# KiCad board r1_panel.kicad_pcb (continued)
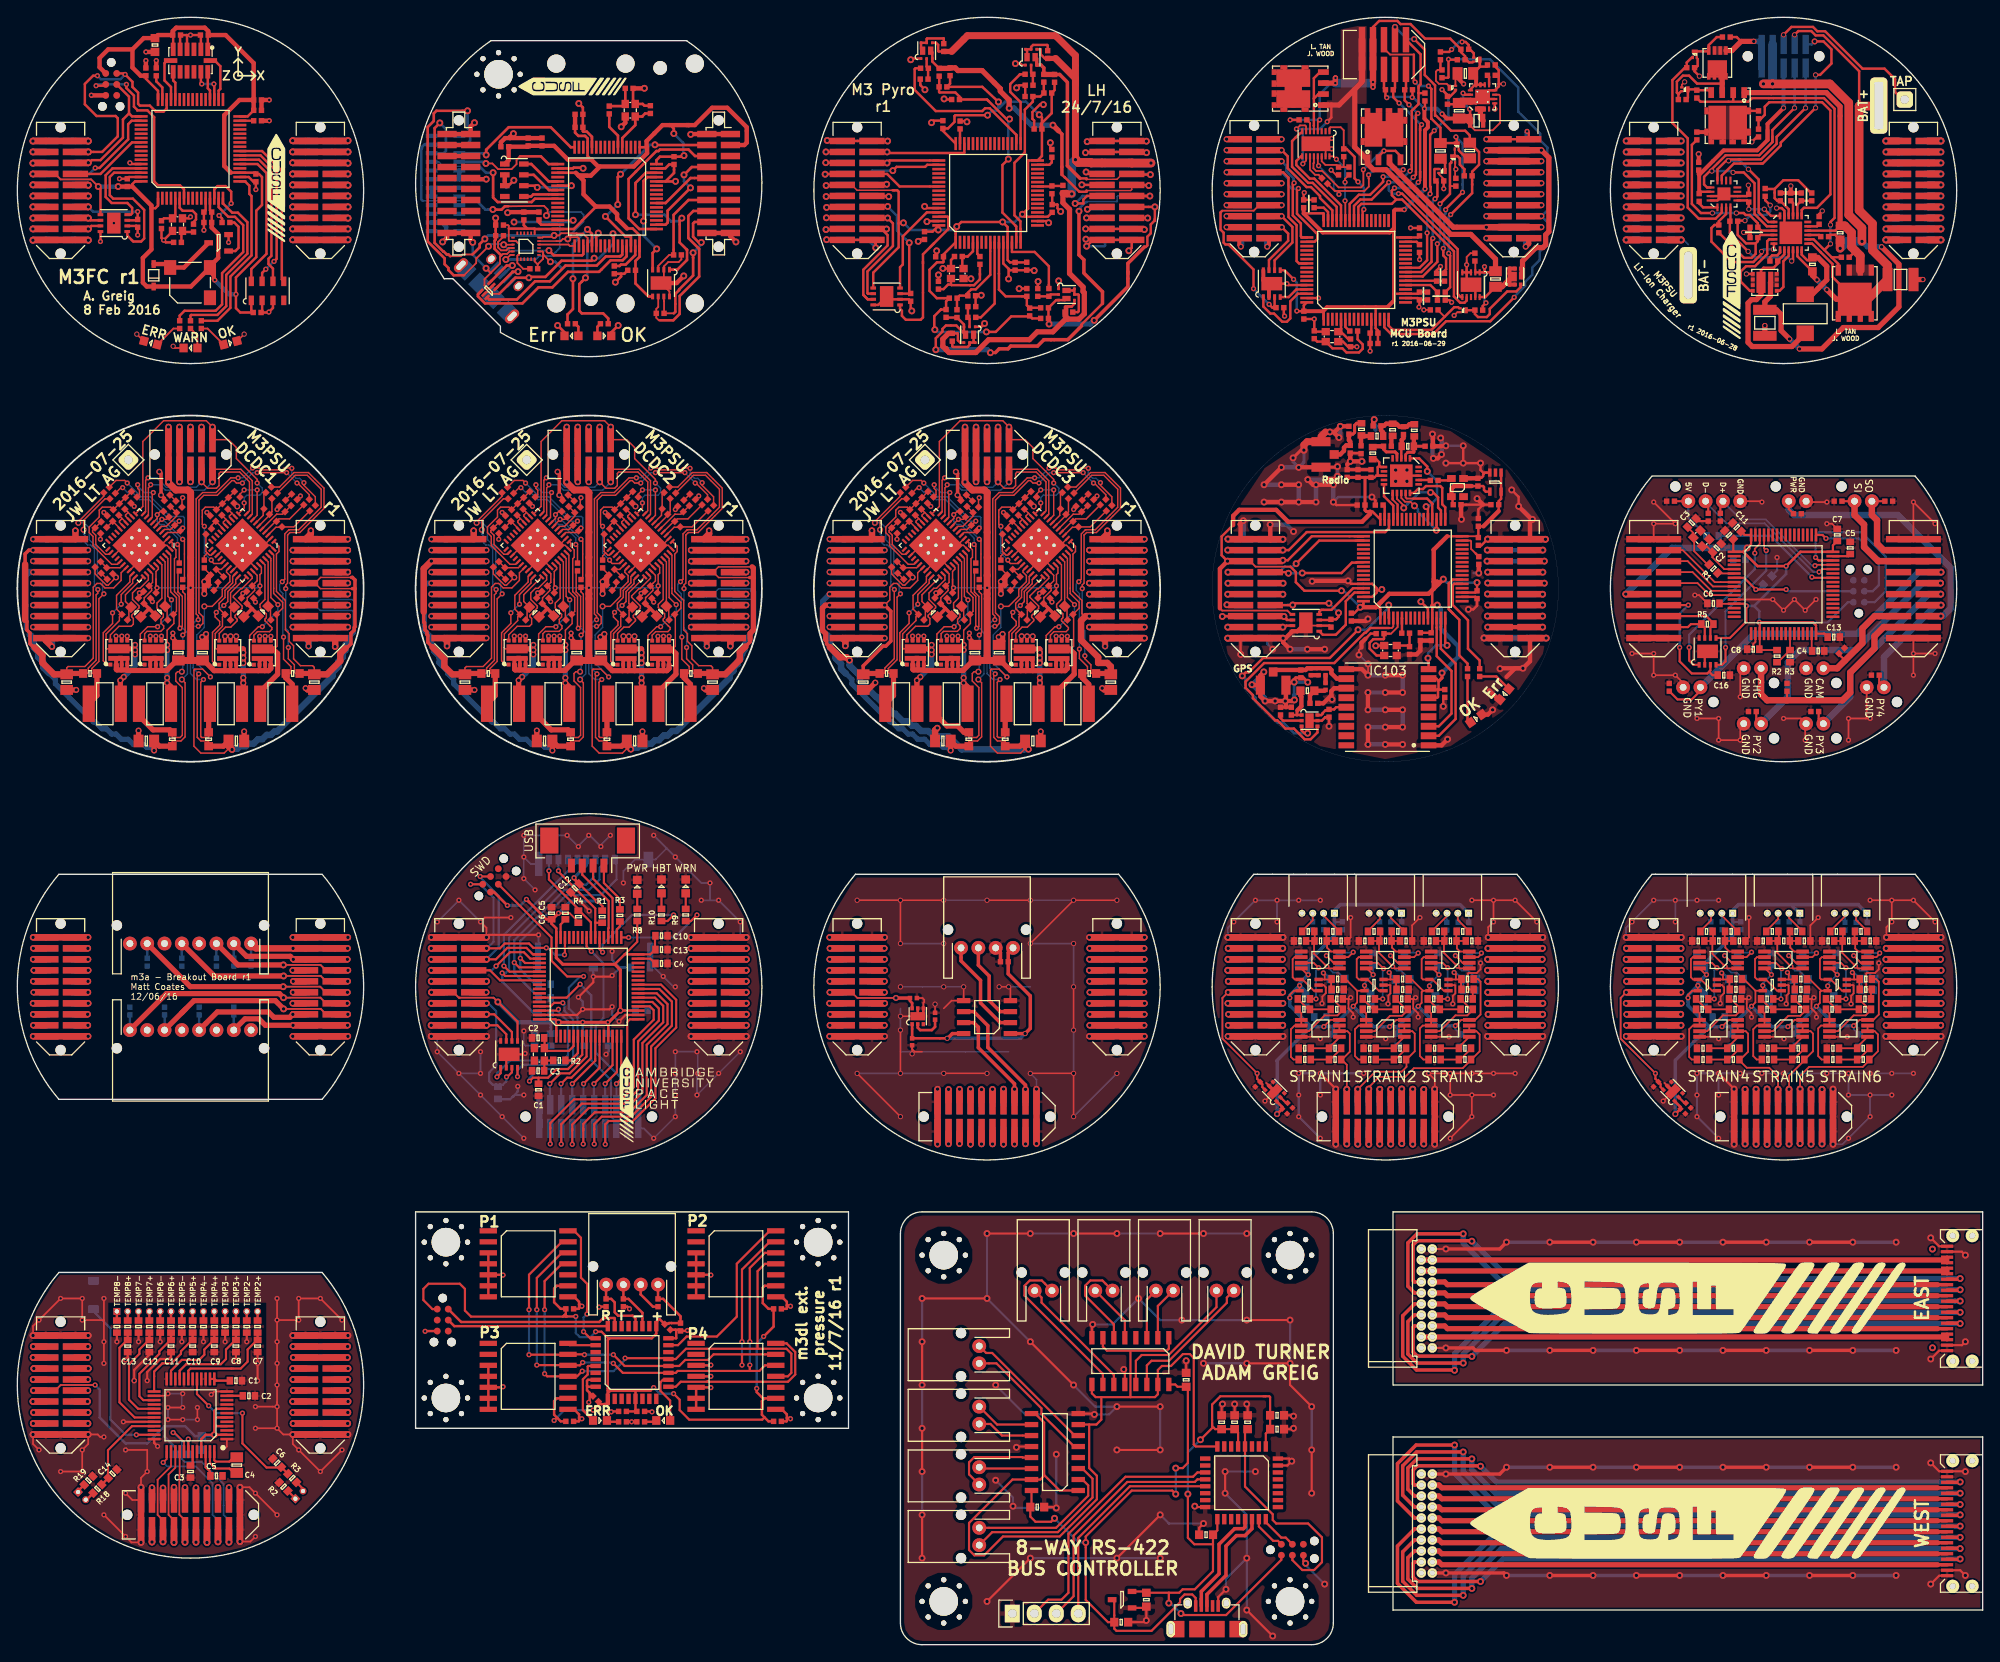
[diagram p0: board, top side]
## Nets (continued)
/GPS_TX: IC101.15 IC103.2
/JTCK: IC1.49 IC1#2.49 IC1#3.49 IC1#7.9 IC1#11.49 IC1#12.49 IC101.49 J1.6 J1#2.6 J1#3.6 J1#4.6 J1#5.6 J1#6.6 J1#7.6 J1#8.6 J1#9.6 J1#10.6 J1#11.6 J1#12.6 J1#13.6 J1#16.6 J2#7.6 J2#8.6 J2#11.6 J2#12.6 J2#13.6 J2#14.6 J2#15.6 J2#16.6 J3#7.6 J3#8.6 J3#9.6 J3#10.6 J3#11.6 J3#12.6 J9.6 J10.6 J101.6 J102.6 P1.4 P1#2.4
/JTDI: IC1.50 IC1#2.50 IC1#3.50 IC1#11.50 IC1#12.50 IC101.50 J1#3.8 J1#4.8 J1#5.8 J1#6.8 J1#8.8 J1#9.8 J1#10.8 J1#12.8 J1#13.8 J1#16.8 J2#7.8 J2#8.8 J2#11.8 J2#12.8 J2#13.8 J2#14.8 J2#15.8 J2#16.8 J3#7.8 J3#8.8 J3#9.8 J3#10.8 J3#11.8 J3#12.8 J10.8 J102.8
/JTDO: IC1.55 IC1#2.55 IC1#3.55 IC1#7.10 IC1#12.55 IC101.55 J1.8 J1#2.8 J1#7.8 J1#11.8 J9.8 J101.8
/JTDR: IC1#7.11 IC1#11.55 J1.10 J1#2.10 J1#3.10 J1#4.10 J1#5.10 J1#6.10 J1#7.10 J1#8.10 J1#9.10 J1#10.10 J1#11.10 J1#12.10 J1#13.10 J1#16.10 J2#7.10 J2#8.10 J2#11.10 J2#12.10 J2#13.10 J2#14.10 J2#15.10 J2#16.10 J3#7.10 J3#8.10 J3#9.10 J3#10.10 J3#11.10 J3#12.10 J9.10 J10.10 J101.10 J102.10
/JTMS: IC1.46 IC1#2.46 IC1#3.46 IC1#7.8 IC1#11.46 IC1#12.46 IC101.46 J1.4 J1#2.4 J1#3.4 J1#4.4 J1#5.4 J1#6.4 J1#7.4 J1#8.4 J1#9.4 J1#10.4 J1#11.4 J1#12.4 J1#13.4 J1#16.4 J2#7.4 J2#8.4 J2#11.4 J2#12.4 J2#13.4 J2#14.4 J2#15.4 J2#16.4 J3#7.4 J3#8.4 J3#9.4 J3#10.4 J3#11.4 J3#12.4 J9.4 J10.4 J101.4 J102.4 P1.2 P1#2.2
/LED1: IC1#3.33 R9#3.1
/LED2: IC1#3.38 R10#3.1
/LED_GRN: IC1.17 IC1#11.38 IC101.22 R4.1 R4#10.1 R103.1
/LED_RED: IC1.15 IC1#11.37 IC101.21 R2.1 R2#11.1 R102.1
/LED_YLW: IC1.16 R3.1
/MISO: IC1#11.35 IC1#15.13 IC2#13.13 IC3#6.13 IC4#4.9 IC4#6.13 IC5#4.12 U1#3.4
/MOSI: IC1#11.36 IC1#15.11 IC2#13.11 IC3#6.11 IC4#4.24 IC4#6.11 IC5#4.13 U1#3.5
/MPU_IRQ: IC1#11.30 IC4#4.12
/nRST: C5#16.1 IC1#17.4 P1#4.3
/OTG_FS_DM: D2#6.6 IC1#11.44
/OTG_FS_DP: D2#6.4 IC1#11.45
/OTG_HS_DM: D6.1 IC1#3.35 IC1#7.44 J6.2 J13.2
/OTG_HS_DP: D5.1 IC1#3.36 IC1#7.45 J6.3 J13.3
/OTG_HS_VBUS: IC1#3.34 IC1#7.42 R3#2.2 R4#13.2
/PRESSURE1: IC1#3.16 IC2#14.7 J5.16 J5#2.16 J5#3.16 J6#3.16 J6#4.16 J6#5.16 J6#6.16 J7#4.16 J7#7.16
/PRESSURE2: IC1#3.17 IC2#14.6 J5.18 J5#2.18 J5#3.18 J6#3.18 J6#4.18 J6#5.18 J6#6.18 J7#4.18 J7#7.18
/PRESSURE3: IC1#3.20 J5.3 J5#2.3 J5#3.3 J6#3.3 J6#4.3 J6#5.3 J6#6.3 J7#4.3 J7#7.3
/PRESSURE4: IC1#3.24 J5.11 J5#2.11 J5#3.11 J6#3.11 J6#4.11 J6#5.11 J6#6.11 J7#4.11 J7#7.11
/PRESSURE5: IC1#3.25 J5.13 J5#2.13 J5#3.13 J6#3.13 J6#4.13 J6#5.13 J6#6.13 J7#4.13 J7#7.13
/PWR: D7#4.1 D8.1 IC1#12.15 J1#14.16 J2.16 J2#2.16 J2#3.16 J2#4.16 J2#5.16 J2#6.16 J2#9.16 J2#10.16 J3.16 J4.16 J4#2.16 J4#3.16 J4#4.16 J4#5.16 J4#6.16 J4#8.16 J4#9.16 J4#10.16 J4#11.16 J4#12.16 J4#13.16 J5#6.16 J5#7.16 J5#8.16 J5#9.16 J5#10.16 J5#11.16 J6#2.3 J10#2.1 J11.16 J12.16 J103.16 J104.16 R1#11.2 R4#11.1
/PYRO1: D1#6.1 D3#12.1 J1#14.8 J2.8 J2#2.8 J2#3.8 J2#4.8 J2#5.8 J2#6.8 J2#9.8 J2#10.8 J3.8 J4.8 J4#2.8 J4#3.8 J4#4.8 J4#5.8 J4#6.8 J4#8.8 J4#9.8 J4#10.8 J4#11.8 J4#12.8 J4#13.8 J5#4.3 J5#5.1 J5#6.8 J5#7.8 J5#8.8 J5#9.8 J5#10.8 J5#11.8 J103.8 J104.8
/PYRO1_BOT: J11.8 J12.8 Q1#2.D2 R2#3.2 R9.1
/PYRO1_RESISTANCE: C2#3.1 D2#2.2 IC1#2.16 R9.2
/PYRO2: D2#7.1 D2#13.1 J1#14.10 J2.10 J2#2.10 J2#3.10 J2#4.10 J2#5.10 J2#6.10 J2#9.10 J2#10.10 J3.10 J4.10 J4#2.10 J4#3.10 J4#4.10 J4#5.10 J4#6.10 J4#8.10 J4#9.10 J4#10.10 J4#11.10 J4#12.10 J4#13.10 J5#4.5 J5#6.10 J5#7.10 J5#8.10 J5#9.10 J5#10.10 J5#11.10 J8#5.1 J103.10 J104.10
/PYRO2_BOT: J11.10 J12.10 Q2.D2 R3#3.2 R15.1
/PYRO2_RESISTANCE: C1#3.1 D1#9.2 IC1#2.15 R15.2
/PYRO3: D1#15.1 D3#6.1 J1#14.12 J2.12 J2#2.12 J2#3.12 J2#4.12 J2#5.12 J2#6.12 J2#9.12 J2#10.12 J3.12 J4.12 J4#2.12 J4#3.12 J4#4.12 J4#5.12 J4#6.12 J4#8.12 J4#9.12 J4#10.12 J4#11.12 J4#12.12 J4#13.12 J5#4.7 J5#6.12 J5#7.12 J5#8.12 J5#9.12 J5#10.12 J5#11.12 J6#7.1 J103.12 J104.12
/PYRO3_BOT: J11.12 J12.12 Q3.D2 R4#3.2 R16.1
/PYRO3_RESISTANCE: C3#3.1 D3#8.2 IC1#2.9 R16.2
/PYRO4: D4#5.1 D4#10.1 J1#14.14 J2.14 J2#2.14 J2#3.14 J2#4.14 J2#5.14 J2#6.14 J2#9.14 J2#10.14 J3.14 J4.14 J4#2.14 J4#3.14 J4#4.14 J4#5.14 J4#6.14 J4#8.14 J4#9.14 J4#10.14 J4#11.14 J4#12.14 J4#13.14 J5#6.14 J5#7.14 J5#8.14 J5#9.14 J5#10.14 J5#11.14 J6#2.1 J9#5.1 J103.14 J104.14
/PYRO4_BOT: J11.14 J12.14 Q4.D2 R7.2 R17.1
/PYRO4_RESISTANCE: C4#3.1 D4#6.2 IC1#2.11 R17.2
/PYRO_SI: D8#4.1 D12.1 J1#14.5 J1#14.6 J2.5 J2.6 J2#2.5 J2#2.6 J2#3.5 J2#3.6 J2#4.5 J2#4.6 J2#5.5 J2#5.6 J2#6.5 J2#6.6 J2#9.5 J2#9.6 J2#10.5 J2#10.6 J3.5 J3.6 J4.5 J4.6 J4#2.5 J4#2.6 J4#3.5 J4#3.6 J4#4.5 J4#4.6 J4#5.5 J4#5.6 J4#6.5 J4#6.6 J4#8.5 J4#8.6 J4#9.5 J4#9.6 J4#10.5 J4#10.6 J4#11.5 J4#11.6 J4#12.5 J4#12.6 J4#13.5 J4#13.6 J5#4.2 J5#6.5 J5#6.6 J5#7.5 J5#7.6 J5#8.5 J5#8.6 J5#9.5 J5#9.6 J5#10.5 J5#10.6 J5#11.5 J5#11.6 J7#6.1 J11.5 J11.6 J12.5 J12.6 J103.5 J103.6 J104.5 J104.6 Q1#2.S2 Q2.S2 Q3.S2 Q4.S2 R1#3.1 R8.1 R10.1 R11.1 R26#6.1
/PYRO_SO: D9#4.1 D11.1 J1#14.3 J1#14.4 J2.3 J2.4 J2#2.3 J2#2.4 J2#3.3 J2#3.4 J2#4.3 J2#4.4 J2#5.3 J2#5.4 J2#6.3 J2#6.4 J2#9.3 J2#9.4 J2#10.3 J2#10.4 J3.3 J3.4 J4.3 J4.4 J4#2.3 J4#2.4 J4#3.3 J4#3.4 J4#4.3 J4#4.4 J4#5.3 J4#5.4 J4#6.3 J4#6.4 J4#8.3 J4#8.4 J4#9.3 J4#9.4 J4#10.3 J4#10.4 J4#11.3 J4#11.4 J4#12.3 J4#12.4 J4#13.3 J4#13.4 J5#4.1 J5#6.3 J5#6.4 J5#7.3 J5#7.4 J5#8.3 J5#8.4 J5#9.3 J5#9.4 J5#10.3 J5#10.4 J5#11.3 J5#11.4 J7#6.2 J11.3 J11.4 J12.3 J12.4 J103.3 J103.4 J104.3 J104.4 Q8.D
/Radio/Radio_GPIO1: IC101.45 IC201.10
/Radio/Radio_nIRQ: IC101.44 IC201.11
/Radio/Radio_nSEL: IC101.33 IC201.15
/Radio/Radio_SCLK: IC101.34 IC201.12
/Radio/Radio_SDI: IC101.36 IC201.14
/Radio/Radio_SDN: IC101.37 IC201.1
/Radio/Radio_SDO: IC101.35 IC201.13
/Radio/RXn: C205.1 IC201.3 L202.1
/Radio/RXp: C203.1 IC201.2 L202.2 L203.1
/Radio/TX_pin: C204.1 IC201.4 L201.2
/RSVD1: J1.12 J1#2.12 J1#3.12 J1#4.12 J1#5.12 J1#6.12 J1#7.12 J1#8.12 J1#9.12 J1#10.12 J1#11.12 J1#12.12 J1#13.12 J1#16.12 J2#7.12 J2#8.12 J2#11.12 J2#12.12 J2#13.12 J2#14.12 J2#15.12 J2#16.12 J3#7.12 J3#8.12 J3#9.12 J3#10.12 J3#11.12 J3#12.12 J9.12 J10.12 J101.12 J102.12
/RSVD2: J1.17 J1#2.17 J1#3.17 J1#4.17 J1#5.17 J1#6.17 J1#7.17 J1#8.17 J1#9.17 J1#10.17 J1#11.17 J1#12.17 J1#13.17 J1#16.17 J2#7.17 J2#8.17 J2#11.17 J2#12.17 J2#13.17 J2#14.17 J2#15.17 J2#16.17 J3#7.17 J3#8.17 J3#9.17 J3#10.17 J3#11.17 J3#12.17 J9.17 J10.17 J101.17 J102.17
/RSVD3: J1#13.15 J2#8.15
/RX: D4#7.1 IC2#14.3 IC5#4.20 J1#15.4 J4#7.3
/SCL: IC1#8.9 IC1#9.9 IC1#10.9 IC1#12.41 IC1#13.1 IC2#7.9 IC2#8.9 IC2#9.9 IC2#12.12 IC5#3.6 J3#2.9 J3#3.9 J3#4.9 J3#5.9 J6#8.9 J6#9.9 J6#10.9 J6#11.9 R8#9.2
/SCLK: IC1#11.34 IC1#15.12 IC2#13.12 IC3#6.12 IC4#4.23 IC4#6.12 IC5#4.11 U1#3.3
/SDA: IC1#8.10 IC1#9.10 IC1#10.10 IC1#12.40 IC1#13.2 IC2#7.10 IC2#8.10 IC2#9.10 IC2#12.13 IC5#3.7 J3#2.7 J3#3.7 J3#4.7 J3#5.7 J6#8.7 J6#9.7 J6#10.7 J6#11.7 R7#5.2
/SDIO_CK: IC1#3.53 U1#2.5
/SDIO_CMD: IC1#3.54 R7#10.1 U1#2.3
/SDIO_D0: IC1#3.39 R1#2.1 U1#2.7
/SDIO_D1: IC1#3.40 R4#2.1 U1#2.8
/SDIO_D2: IC1#3.51 R5#13.1 U1#2.1
/SDIO_D3: IC1#3.52 R6#10.1 U1#2.2
/SHIFT_DATA: IC1#17.13 P5.4
/SHIFT_RCK: IC1#17.11 P5.2
/SHIFT_SRCK: IC1#17.12 P5.3
/SPI1_CS: IC1#3.41 IC1#6.41 J5.17 J5#2.17 J5#3.17 J6#3.17 J6#4.17 J6#5.17 J6#6.17 J7#4.17 J7#7.17
/SPI1_MISO: IC1#3.22 IC1#6.39 J5.7 J5#2.7 J5#3.7 J6#3.7 J6#4.7 J6#5.7 J6#6.7 J7#4.7 J7#7.7
/SPI1_MOSI: IC1#3.23 IC1#6.40 J5.9 J5#2.9 J5#3.9 J6#3.9 J6#4.9 J6#5.9 J6#6.9 J7#4.9 J7#7.9
/SPI1_SCK: IC1#3.21 IC1#6.38 J5.5 J5#2.5 J5#3.5 J6#3.5 J6#4.5 J6#5.5 J6#6.5 J7#4.5 J7#7.5
/STRAIN1: C14#3.2 IC1#3.8 IC5.6 IC5.7 J5.4 J5#2.4 J5#3.4 J6#3.4 J6#4.4 J6#5.4 J6#6.4 J7#4.4 J7#7.4
/STRAIN1+: D2#11.2 J7.2 R4#4.1
/STRAIN1-: D1#13.2 J7.3 R3#4.1
/STRAIN2: C21.2 IC1#3.9 IC8.6 IC8.7 J5.6 J5#2.6 J5#3.6 J6#3.6 J6#4.6 J6#5.6 J6#6.6 J7#4.6 J7#7.6
/STRAIN2+: D5#3.2 J9#2.2 R20#2.1
/STRAIN2-: D4#8.2 J9#2.3 R19#2.1
/STRAIN3: C13#4.2 IC1#3.10 IC9.6 IC9.7 J5.8 J5#2.8 J5#3.8 J6#3.8 J6#4.8 J6#5.8 J6#6.8 J7#4.8 J7#7.8
/STRAIN3+: D8#2.2 J8.2 R2#4.1
/STRAIN3-: D7#2.2 J8.3 R1#4.1
/STRAIN4: C14#4.2 IC1#3.11 IC5#2.6 IC5#2.7 J5.10 J5#2.10 J5#3.10 J6#3.10 J6#4.10 J6#5.10 J6#6.10 J7#4.10 J7#7.10
/STRAIN4+: D2#12.2 J7#2.2 R4#5.1
/STRAIN4-: D1#14.2 J7#2.3 R3#5.1
/STRAIN5: C21#2.2 IC1#3.14 IC8#2.6 IC8#2.7 J5.12 J5#2.12 J5#3.12 J6#3.12 J6#4.12 J6#5.12 J6#6.12 J7#4.12 J7#7.12
/STRAIN5+: D5#4.2 J9#3.2 R20#3.1
/STRAIN5-: D4#9.2 J9#3.3 R19#3.1
/STRAIN6: C13#5.2 IC1#3.15 IC9#2.6 IC9#2.7 J5.14 J5#2.14 J5#3.14 J6#3.14 J6#4.14 J6#5.14 J6#6.14 J7#4.14 J7#7.14
/STRAIN6+: D8#3.2 J8#2.2 R2#5.1
/STRAIN6-: D7#3.2 J8#2.3 R1#5.1
/SWCLK: IC1#7.49 IC5#4.24 P1#3.4 P1#5.4
/SWDCLK: IC1#17.24 P1#4.4
/SWDIO: IC1#7.46 IC1#17.23 IC5#4.23 P1#3.2 P1#4.2 P1#5.2
/TEMP1+: J7#5.2 R2#6.2
/TEMP1-: J7#5.1 R3#6.2
/TEMP2+: J9#4.14 R8#4.2
/TEMP2-: J9#4.13 R9#2.2
/TEMP3+: J9#4.12 R12#4.2
/TEMP3-: J9#4.11 R13#4.2
/TEMP4+: J9#4.10 R16#4.2
/TEMP4-: J9#4.9 R17#4.2
/TEMP5+: J9#4.8 R4#6.2
/TEMP5-: J9#4.7 R5#5.2
/TEMP6+: J9#4.6 R10#2.2
/TEMP6-: J9#4.5 R11#4.2
/TEMP7+: J9#4.4 R14#4.2
/TEMP7-: J9#4.3 R15#4.2
/TEMP8+: J9#4.2 R18#4.2
/TEMP8-: J9#4.1 R19#4.2
/TEMP9+: J8#4.2 R6#4.2
/TEMP9-: J8#4.1 R7#4.2
/TEMP_INT: IC1#3.59 IC1#6.37 J5.15 J5#2.15 J5#3.15 J6#3.15 J6#4.15 J6#5.15 J6#6.15 J7#4.15 J7#7.15
/TX: D3#9.1 IC1#17.8 IC2#14.2 IC3#7.1 IC3#7.7 IC3#7.9 IC3#7.15 IC4#7.1 IC4#7.7 IC4#7.9 IC4#7.15 IC5#4.19 J1#15.3 J4#7.4
/USB_D+: IC1#17.22 J1#17.3
/USB_D-: IC1#17.21 J1#17.2
/USB_DETECT: D2#6.5 IC1#11.42 J1#18.1
/VEXT_OK: IC1#13.10 IC2#12.4 R5#11.2
/~{ADIS_RESET}: IC1#11.17 U1#3.8
/~{ADIS_SS}: IC1#11.16 U1#3.6
/~{ALERT}: IC1#8.11 IC1#9.11 IC1#10.11 IC1#12.42 IC2#7.11 IC2#8.11 IC2#9.11 IC2#12.11 J3#2.10 J3#3.10 J3#4.10 J3#5.10 J6#8.10 J6#9.10 J6#10.10 J6#11.10 R10#7.2
/~{CS1}: IC1#15.14 IC5#4.25
/~{CS2}: IC2#13.14 IC5#4.15
/~{CS3}: IC3#6.14 IC5#4.26
/~{CS4}: IC4#6.14 IC5#4.9
/~{EN_EXT_PWR}: IC1#12.43 IC4#5.16 R9#7.2
/~{EN_INT_PWR}: IC1#12.39 IC4#5.1 R11#8.2
/~{EXT_PWR_ON}: IC1#12.44 IC4#5.9
/~{INT_PWR_ON}: IC1#12.45 IC4#5.8
/~{MPU_SS}: IC1#11.33 IC4#4.22
/~{RST}: C1#2.2 C1#17.2 IC1.7 IC1#2.7 IC1#3.7 IC1#7.7 P1.3 P1#2.3 P1#5.3
/~{SHUTDOWN}: IC1#12.25 Q1#6.G R2#12.1
VSHORE: C17#7.2 IC4#5.13 J4#4.17 J4#4.18 J5#9.17 J5#9.18 Q4#5.S1
Net-(C1-Pad1): C1#13.1 IC1#13.4 R1#12.1 R2#13.1 R5#11.1
Net-(C1-Pad2): C1.2 C1#4.2 C1#5.2 C1#6.2 C1#10.2 C1#11.2 C1#14.2 C2#4.1 C2#5.1 IC1.5 IC1#4.1 IC1#5.1 IC1#6.13 IC1#6.14 IC1#11.5 IC1#12.5 L3#4.1 R1#4.2 R1#5.2 R1#13.2 R29.1 R29#2.1 Y1.1 Y1#5.1 Y1#6.1
Net-(C2-Pad1): C2#8.1 C2#9.1 C2#10.1 C2#11.1 C2#12.1 C2#14.1 C2#15.1 IC1#8.39 IC1#9.39 IC1#10.39 IC1#13.22 IC1#14.6 IC103.14 L1.2 L1#2.2 L1#3.2 Q1#3.S1D2 Q1#4.S1D2 Q1#5.S1D2 R1#10.1 R1#12.2 R3#11.1 R7#9.2 Y1#5.3 Y1#6.3
Net-(C2-Pad2): C2#2.2 C2#4.2 C2#5.2 C2#6.2 C2#7.2 C2#8.2 C2#9.2 C2#10.2 C3#4.1 C3#5.1 D1#2.1 D1#3.1 D1#4.1 IC1#3.5 IC1#4.4 IC1#5.4 IC1#6.11 IC1#7.5 IC1#8.37 IC1#9.37 IC1#10.37 R2#4.2 R2#5.2 Y1#3.2 Y1#4.2
Net-(C3-Pad1): C3#8.1 C3#9.1 C3#10.1 C3#13.1 IC1#13.21 R4#7.2 R4#8.2 R4#9.2
Net-(C3-Pad2): C3#2.2 C3#6.2 C3#7.2 C3#8.2 C3#9.2 C3#10.2 C3#14.2 C5#8.2 C5#9.2 C5#10.2 IC1#6.43 IC1#8.5 IC1#9.5 IC1#10.5 IC1#14.1 R1#6.1 R1#13.1 R2#2.1 Y1#3.1 Y1#4.1
Net-(C4-Pad1): C4#6.1 IC1#6.48
Net-(C4-Pad2): C4#2.2 C4#4.2 C4#5.2 C4#6.2 C4#7.2 C4#10.2 C5#4.1 C5#5.1 IC1#3.31 IC1#6.47 IC1#7.31 IC1#13.17 IC3#2.1 IC3#3.1 R3#4.2 R3#5.2 R28.1 R28#2.1
Net-(C5-Pad1): C5#6.1 C5#13.1 C5#14.1 IC1#6.46 IC1#13.14 IC201.17 Q4#6.G2 Q5#2.G R11#9.2
Net-(C5-Pad2): C5#2.2 C5#3.2 C5#4.2 C5#5.2 C5#7.2 C5#13.2 C5#14.2 C6#4.1 C6#5.1 IC1#2.5 IC1#3.47 IC1#7.47 IC1#13.16 IC3#2.4 IC3#3.4 Q4#6.S2 Q5#2.S R4#4.2 R4#5.2 R17#8.1 Y1#2.1 Y201.3
Net-(C6-Pad1): C6.1 C6#2.1 C6#8.1 C6#9.1 C6#10.1 C6#13.1 IC1#8.6 IC1#9.6 IC1#10.6 IC1#13.7 R5.1 R6#5.2 R6#6.2 R6#7.2 R25.1 Y1.3 Y1#2.3
Net-(C6-Pad2): C6#8.2 C6#9.2 C6#10.2 C6#13.2 IC1#8.7 IC1#9.7 IC1#10.7 IC1#13.8 L1#5.1 Q6#2.S1D2 R3#8.2 R3#9.2 R3#10.2
Net-(C7-Pad1): C7#3.1 C7#4.1 IC9.3 IC9#2.3 R13#2.2 R13#3.2
Net-(C8-Pad1): C8#3.1 C8#4.1 C8#7.1 C8#8.1 C8#9.1 C8#12.1 IC1#8.3 IC1#9.3 IC1#10.3 IC1#13.3 IC5.3 IC5#2.3 R9#4.1 R9#5.1 R9#6.1 R14#2.2 R14#3.2 R16#9.1
Net-(C8-Pad2): C8#7.2 C8#8.2 C8#9.2 IC1#8.4 IC1#9.4 IC1#10.4 R11#5.1 R11#6.1 R11#7.1
Net-(C9-Pad1): C9#3.1 C9#4.1 R11#2.2 R11#3.2 R13#2.1 R13#3.1
Net-(C9-Pad2): C9#3.2 C9#4.2 IC9.1 IC9.2 IC9#2.1 IC9#2.2 R15#2.1 R15#3.1
Net-(C10-Pad1): C10.1 C10#4.1 C10#5.1 C10#7.1 C10#8.1 C10#9.1 C10#10.1 C10#11.1 IC1.47 IC1#8.22 IC1#9.22 IC1#10.22 IC1#11.47 IC1#12.47 R8#6.2 R8#7.2 R8#8.2 R12#2.2 R12#3.2 R14#2.1 R14#3.1
Net-(C10-Pad2): C10#4.2 C10#5.2 IC5.1 IC5.2 IC5#2.1 IC5#2.2 R16#2.1 R16#3.1
Net-(C11-Pad1): C11.1 C11#3.1 C11#4.1 C11#7.1 C11#8.1 C11#9.1 C11#10.1 C11#11.1 D2#3.1 D2#4.1 D2#5.1 IC1.31 IC1#8.31 IC1#9.31 IC1#10.31 IC1#11.31 IC1#12.31 IC9.5 IC9#2.5 R17#2.2 R17#3.2
Net-(C11-Pad2): C11#7.2 C11#8.2 C11#9.2 IC1#8.29 IC1#9.29 IC1#10.29 L2.1 L2#2.1 L2#3.1 Q2#2.S1D2 Q2#3.S1D2 Q2#4.S1D2
Net-(C12-Pad1): C9#6.1 C9#7.1 C9#8.1 C12#3.1 C12#4.1 C12#7.1 C12#8.1 C12#9.1 C12#11.1 C19#3.1 IC1#8.26 IC1#9.26 IC1#10.26 IC2#11.10 IC2#11.11 IC2#11.12 IC2#11.13 IC5.5 IC5#2.5 Q2#5.D R18#2.2 R18#3.2
Net-(C12-Pad2): C12#7.2 C12#8.2 C12#9.2 R12#5.1 R12#6.1 R12#7.1
Net-(C13-Pad1): C4#14.1 C4#15.1 C4#16.1 C13#4.1 C13#5.1 C13#8.1 C13#9.1 C13#10.1 C13#12.1 D1#2.2 D1#3.2 D1#4.2 D2#3.2 D2#4.2 D2#5.2 IC1#8.33 IC1#9.33 IC1#10.33 IC2#11.9 R15#2.2 R15#3.2 R17#2.1 R17#3.1
Net-(C14-Pad1): C14#2.1 C14#3.1 C14#4.1 C14#6.1 C14#7.1 C14#8.1 IC1#2.47 IC1#8.25 IC1#9.25 IC1#10.25 R2#8.1 R2#9.1 R2#10.1 R5#8.1 R5#9.1 R5#10.1 R16#2.2 R16#3.2 R18#2.1 R18#3.1 R18#6.2 R18#7.2 R18#8.2
Net-(C15-Pad1): C15#2.1 C15#9.1 IC1#2.31 IC4#5.14 R9#7.1 R11#8.1
Net-(C15-Pad2): C15#3.2 C15#4.2 C16#3.1 C16#4.1 IC6.1 IC6#2.1 R19#2.2 R19#3.2 R30.1 R30#2.1
Net-(C16-Pad1): C16#9.1 IC4#4.10
Net-(C16-Pad2): C16#3.2 C16#4.2 C17#2.1 C17#3.1 IC6.4 IC6#2.4 R20#2.2 R20#3.2
Net-(C17-Pad1): C17#4.1 C17#5.1 C17#6.1 C17#7.1 IC2#7.39 IC2#8.39 IC2#9.39 IC4#5.11 L3.2 L3#2.2 L3#3.2 Q3#2.S1D2 Q3#3.S1D2 Q3#4.S1D2
Net-(C17-Pad2): C17#4.2 C17#5.2 C17#6.2 D3#2.1 D3#3.1 D3#4.1 IC2#7.37 IC2#8.37 IC2#9.37
Net-(C18-Pad1): C18.1 C18#2.1 C18#3.1 C18#4.1 C18#5.1 C18#6.1 IC4#5.6 IC8.3 IC8#2.3 R17#5.2 R17#6.2 R17#7.2 R25#2.2 R25#3.2
Net-(C18-Pad2): C18#3.2 C18#4.2 C18#5.2 C20#3.2 C20#4.2 C20#5.2 IC2#7.5 IC2#8.5 IC2#9.5
Net-(C19-Pad1): C19.1 C19#2.1 C19#4.1 C19#5.1 C19#6.1 C28.1 C28#2.1 C28#3.1 D3#2.2 D3#3.2 D3#4.2 D4#2.2 D4#3.2 D4#4.2 IC2#7.33 IC2#8.33 IC2#9.33 R24.2 R24#2.2 R25#2.1 R25#3.1
Net-(C19-Pad2): C19.2 C19#2.2 IC8.1 IC8.2 IC8#2.1 IC8#2.2 R26.1 R26#2.1
Net-(C20-Pad1): C20.1 C20#2.1 IC8.5 IC8#2.5 R27.2 R27#2.2
Net-(C21-Pad1): C21.1 C21#2.1 C21#3.1 C21#4.1 C21#5.1 IC2#7.6 IC2#8.6 IC2#9.6 R19#5.2 R19#6.2 R19#7.2 R26.2 R26#2.2 R27.1 R27#2.1
Net-(C21-Pad2): C21#3.2 C21#4.2 C21#5.2 IC2#7.7 IC2#8.7 IC2#9.7 R16#5.2 R16#6.2 R16#7.2
Net-(C22-Pad1): C22#4.1 C22#5.1 IC4#2.3 IC4#3.3 R7#2.1 R7#3.1 R8#2.2 R8#3.2 R28.2 R28#2.2
Net-(C23-Pad1): C23.1 C23#2.1 C23#3.1 IC2#7.3 IC2#8.3 IC2#9.3 R22#3.1 R22#4.1 R22#5.1
Net-(C23-Pad2): C23.2 C23#2.2 C23#3.2 IC2#7.4 IC2#8.4 IC2#9.4 R24#3.1 R24#4.1 R24#5.1
Net-(C24-Pad1): C24.1 C24#2.1 C24#3.1 C27.1 C27#2.1 C27#3.1 IC2#7.26 IC2#8.26 IC2#9.26
Net-(C25-Pad1): C25.1 C25#2.1 C25#3.1 IC2#7.22 IC2#8.22 IC2#9.22 R21#3.2 R21#4.2 R21#5.2
Net-(C26-Pad1): C26.1 C26#2.1 C26#3.1 C26#4.1 C26#5.1 D4#2.1 D4#3.1 D4#4.1 IC2#4.3 IC2#5.3 IC2#7.31 IC2#8.31 IC2#9.31 R5#3.1 R5#4.1 R6#2.2 R6#3.2 R29.2 R29#2.2
Net-(C26-Pad2): C26.2 C26#2.2 C26#3.2 IC2#7.29 IC2#8.29 IC2#9.29 L4.1 L4#2.1 L4#3.1 Q4#2.S1D2 Q4#3.S1D2 Q4#4.S1D2
Net-(C27-Pad2): C27.2 C27#2.2 C27#3.2 R25#4.1 R25#5.1 R25#6.1
Net-(C29-Pad1): C29.1 C29#2.1 C29#3.1 IC2#7.25 IC2#8.25 IC2#9.25 R7#6.1 R7#7.1 R7#8.1 R15#5.1 R15#6.1 R15#7.1 R20#5.2 R20#6.2 R20#7.2
Net-(C30-Pad1): C30#4.1 C30#5.1 IC7.3 IC7#2.3 R21.1 R21#2.1 R22.2 R22#2.2 R30.2 R30#2.2
Net-(C101-Pad2): C101.2 IC101.5 Y101.1
Net-(C102-Pad1): C102.1 R101.1 Y101.3
Net-(C110-Pad1): C110.1 IC101.47
Net-(C111-Pad1): C111.1 IC101.31
Net-(C204-Pad2): C204.2 L204.1
Net-(C205-Pad2): C205.2 C206.1 L203.2 L204.2 L205.1
Net-(C207-Pad1): C207.1 L205.2 L206.1
Net-(C208-Pad1): C208.1 D2#9.1 L206.2 P201.1
Net-(D1-Pad1): D1#8.1 D1#10.1 IC103.11 L1#6.2 P101.1 R1#14.1
Net-(D1-Pad2): D1.2 D1#5.2 D1#7.2 D1#10.2 D1#12.2 IC1#6.35 IC5#4.29 R2.2 R2#11.2 R8#5.2
Net-(D2-Pad1): D2#6.1 D2#10.1 J1#18.2 R2#15.1
Net-(D2-Pad2): D2.2 D2#8.2 D2#10.2 IC5#4.10 R3.2 R9#3.2
Net-(D2-Pad3): D2#6.3 J1#18.3
Net-(D3-Pad2): D3.2 D3#5.2 D3#7.2 R4.2 R4#10.2 R10#3.2
Net-(D4-Pad2): D4.2 LS1.2 Q1.3
Net-(D7-Pad1): D7.1 J13.1 R4#13.1
Net-(D101-Pad2): D101.2 R102.2
Net-(D102-Pad2): D102.2 R103.2
Net-(IC1-Pad1): IC1#15.1
Net-(IC1-Pad2): IC1#2.2 IC1#3.2 IC1#4.2 IC1#5.2 IC1#7.2 IC1#11.2 IC1#12.2 IC1#14.2 IC1#15.2 IC1#16.2 IC1#17.2 R1#15.1 R2#14.2 R9#9.2 R9#10.2
Net-(IC1-Pad3): IC1#2.3 IC1#3.3 IC1#4.3 IC1#5.3 IC1#7.3 IC1#11.3 IC1#12.3 IC1#16.3 IC1#17.3 R9#9.1 R9#10.1
Net-(IC1-Pad4): IC1#2.4 IC1#3.4 IC1#7.4 IC1#11.4 IC1#12.4
Net-(IC1-Pad5): IC1#13.5 Q6#2.G2
Net-(IC1-Pad6): IC1.6 IC1#2.6 IC1#3.6 IC1#4.6 IC1#5.6 IC1#7.6 IC1#11.6 IC1#12.6 IC1#17.6 IC2#4.1 IC2#4.4 IC2#5.1 IC2#5.4 R1#6.2 R1#10.2 R2#2.2 R3#11.2 R5.2 R25.2
Net-(IC1-Pad7): IC1#4.7 IC1#5.7 IC1#11.7 IC1#12.7 IC1#17.7 R11#2.1 R11#3.1
Net-(IC1-Pad8): IC1#2.8 IC1#8.8 IC1#9.8 IC1#10.8 IC1#11.8 IC1#12.8 R5#8.2 R5#9.2 R5#10.2
Net-(IC1-Pad9): IC1#11.9 IC1#12.9 IC1#13.9 IC1#17.9 Q6#2.G1
Net-(IC1-Pad10): IC1#6.10 IC1#11.10 IC1#12.10 IC1#15.10 IC1#17.10
Net-(IC1-Pad11): IC1#11.11 IC1#12.11
Net-(IC1-Pad12): IC1#8.12 IC1#8.13 IC1#9.12 IC1#9.13 IC1#10.12 IC1#10.13 IC1#13.12 L1#5.2 R14#9.1 R18#6.1 R18#7.1 R18#8.1
Net-(IC1-Pad14): IC1#7.14 IC1#8.14 IC1#8.15 IC1#9.14 IC1#9.15 IC1#10.14 IC1#10.15 IC1#11.14 IC1#12.14 IC1#17.14 R2#8.2 R2#9.2 R2#10.2
Net-(IC1-Pad15): IC1#7.15 IC1#11.15 IC1#13.15 IC1#17.15 R15#9.1
Net-(IC1-Pad16): IC1#7.16 IC1#8.16 IC1#9.16 IC1#10.16 R8#6.1 R8#7.1 R8#8.1 R10#4.1 R10#5.1 R10#6.1
Net-(IC1-Pad17): IC1#2.17 IC1#7.17 IC1#8.17 IC1#9.17 IC1#10.17 IC1#12.17
Net-(IC1-Pad18): IC1#8.18 IC1#9.18 IC1#10.18 IC1#17.18
Net-(IC1-Pad19): IC1#8.19 IC1#9.19 IC1#10.19 IC1#13.19 IC1#17.19 R12#9.2 R13#9.1
Net-(IC1-Pad20): IC1#2.20 IC1#7.20 IC1#8.20 IC1#9.20 IC1#10.20 IC1#11.20 IC1#12.20 IC1#13.20 IC1#17.20 R4#12.2 R7#9.1
Net-(IC1-Pad21): IC1#2.21 IC1#7.21 IC1#8.21 IC1#9.21 IC1#10.21
Net-(IC1-Pad22): IC1#2.22 IC1#7.22
Net-(IC1-Pad23): IC1#2.23 IC1#7.23
Net-(IC1-Pad24): IC1#2.24 IC1#7.24 IC1#8.24 IC1#9.24 IC1#10.24
Net-(IC1-Pad25): IC1#2.25 IC1#7.25 IC1#17.25
Net-(IC1-Pad26): IC1#2.26 IC1#3.26 IC1#7.26 IC1#11.26 IC1#12.26 IC1#17.26 R2#7.1 R3#7.2 R26#6.2 R27#3.1
Net-(IC1-Pad27): IC1#2.27 IC1#3.27 IC1#7.27 IC1#11.27 IC1#12.27 IC1#17.27
Net-(IC1-Pad28): IC1#2.28 IC1#3.28 IC1#7.28 IC1#11.28 IC1#12.28 IC1#17.28
Net-(IC1-Pad29): IC1#2.29 IC1#3.29 IC1#7.29 IC1#11.29 IC1#12.29 IC1#17.29
Net-(IC1-Pad30): IC1#2.30 IC1#3.30 IC1#7.30 IC1#8.30 IC1#9.30 IC1#10.30 IC1#12.30 IC1#17.30 Q2#2.G1 Q2#3.G1 Q2#4.G1
Net-(IC1-Pad32): IC1#8.32 IC1#9.32 IC1#10.32 Q2#2.G2 Q2#3.G2 Q2#4.G2
Net-(IC1-Pad33): IC1#7.33 IC1#12.33
Net-(IC1-Pad34): IC1#6.34 IC1#7.34 IC1#12.34
Net-(IC1-Pad35): IC1#2.35 IC1#7.35 IC1#12.35
Net-(IC1-Pad36): IC1#2.36 IC1#7.36 IC1#8.36 IC1#9.36 IC1#10.36 IC1#12.36 Q1#3.G2 Q1#4.G2 Q1#5.G2
Net-(IC1-Pad37): IC1#2.37 IC1#3.37 IC1#7.37 IC1#12.37
Net-(IC1-Pad38): IC1#2.38 IC1#7.38 IC1#8.38 IC1#9.38 IC1#10.38 IC1#12.38 Q1#3.G1 Q1#4.G1 Q1#5.G1
Net-(IC1-Pad39): IC1#2.39 IC1#7.39 IC1#11.39
Net-(IC1-Pad40): IC1#2.40 IC1#7.40 IC1#11.40
Net-(IC1-Pad41): IC1#2.41 IC1#7.41 IC1#11.41
Net-(IC1-Pad42): IC1#2.42 IC1#3.42 IC1#6.42 R1#16.2
Net-(IC1-Pad43): IC1#2.43 IC1#3.43 IC1#7.43 IC1#11.43
Net-(IC1-Pad44): IC1#2.44 IC1#3.44
Net-(IC1-Pad45): IC1#2.45 IC1#3.45
Net-(IC1-Pad50): IC1#7.50
Net-(IC1-Pad51): IC1#2.51 IC1#7.51 IC1#11.51 IC1#12.51
Net-(IC1-Pad52): IC1#2.52 IC1#7.52 IC1#11.52 IC1#12.52
Net-(IC1-Pad53): IC1#2.53 IC1#7.53 IC1#11.53 IC1#12.53
Net-(IC1-Pad54): IC1#2.54 IC1#7.54 IC1#11.54 IC1#12.54
Net-(IC1-Pad55): IC1#7.55
Net-(IC1-Pad56): IC1#2.56 IC1#3.56 IC1#7.56 IC1#11.56 IC1#12.56
Net-(IC1-Pad57): IC1#2.57 IC1#3.57 IC1#7.57 IC1#11.57 IC1#12.57
Net-(IC1-Pad58): IC1#2.58 IC1#3.58 IC1#7.58 IC1#11.58 IC1#12.58
Net-(IC1-Pad59): IC1#2.59 IC1#7.59 IC1#11.59 IC1#12.59
Net-(IC2-Pad1): IC2#11.1 IC2#11.2 IC2#11.3 IC2#12.1 IC2#13.1 L1#4.1 R8#10.2
Net-(IC2-Pad2): IC2#13.2
Net-(IC2-Pad4): IC2#11.4
Net-(IC2-Pad8): IC2#7.8 IC2#8.8 IC2#9.8 R7#6.2 R7#7.2 R7#8.2
Net-(IC2-Pad10): IC2#13.10
Net-(IC2-Pad12): IC2#7.12 IC2#7.13 IC2#8.12 IC2#8.13 IC2#9.12 IC2#9.13 R20#5.1 R20#6.1 R20#7.1
Net-(IC2-Pad14): IC2#7.14 IC2#7.15 IC2#8.14 IC2#8.15 IC2#9.14 IC2#9.15 R15#5.2 R15#6.2 R15#7.2
Net-(IC2-Pad16): IC2#7.16 IC2#8.16 IC2#9.16 R21#3.1 R21#4.1 R21#5.1 R23.1 R23#2.1 R23#3.1
Net-(IC2-Pad17): IC2#7.17 IC2#8.17 IC2#9.17
Net-(IC2-Pad18): IC2#7.18 IC2#8.18 IC2#9.18
Net-(IC2-Pad19): IC2#7.19 IC2#8.19 IC2#9.19
Net-(IC2-Pad20): IC2#7.20 IC2#8.20 IC2#9.20
Net-(IC2-Pad21): IC2#7.21 IC2#8.21 IC2#9.21
Net-(IC2-Pad24): IC2#7.24 IC2#8.24 IC2#9.24
Net-(IC2-Pad30): IC2#7.30 IC2#8.30 IC2#9.30 Q4#2.G1 Q4#3.G1 Q4#4.G1
Net-(IC2-Pad32): IC2#7.32 IC2#8.32 IC2#9.32 Q4#2.G2 Q4#3.G2 Q4#4.G2
Net-(IC2-Pad36): IC2#7.36 IC2#8.36 IC2#9.36 Q3#2.G2 Q3#3.G2 Q3#4.G2
Net-(IC2-Pad38): IC2#7.38 IC2#8.38 IC2#9.38 Q3#2.G1 Q3#3.G1 Q3#4.G1
Net-(IC3-Pad1): IC3#6.1
Net-(IC3-Pad2): IC3#2.2 IC3#3.2 IC3#6.2 IC3#7.2 P6.1 R10#9.2 R10#10.2
Net-(IC3-Pad3): IC3#2.3 IC3#3.3 IC3#7.3 P6.2 R10#9.1 R10#10.1
Net-(IC3-Pad4): IC3#4.4 IC3#7.4
Net-(IC3-Pad5): IC3#7.5 P7.2
Net-(IC3-Pad6): IC3#2.6 IC3#3.6 IC3#7.6 IC4#2.1 IC4#2.4 IC4#3.1 IC4#3.4 P7.1
Net-(IC3-Pad7): IC3#2.7 IC3#3.7 R12#2.1 R12#3.1
Net-(IC3-Pad10): IC3#6.10 IC3#7.10 P8.1
Net-(IC3-Pad11): IC3#7.11 P8.2
Net-(IC3-Pad13): IC3#7.13 P9.2
Net-(IC3-Pad14): IC3#7.14 P9.1
Net-(IC4-Pad1): IC4#6.1
Net-(IC4-Pad2): IC4#4.2 IC4#5.2 IC4#6.2 IC4#7.2 P10.1
Net-(IC4-Pad3): IC4#4.3 IC4#5.3 IC4#7.3 P10.2
Net-(IC4-Pad4): IC4#4.4 IC4#7.4
Net-(IC4-Pad5): IC4#4.5 IC4#5.5 IC4#7.5 P11.2 Q5.G1 Q5.G2
Net-(IC4-Pad6): IC4#4.6 IC4#7.6 P11.1
Net-(IC4-Pad7): IC4#4.7
Net-(IC4-Pad10): IC4#6.10 IC4#7.10 P12.1
Net-(IC4-Pad11): IC4#7.11 P12.2
Net-(IC4-Pad12): IC4#5.12 Q4#5.G1 Q4#5.G2
Net-(IC4-Pad13): IC4#7.13 P13.2
Net-(IC4-Pad14): IC4#4.14 IC4#7.14 P13.1
Net-(IC4-Pad15): IC4#4.15
Net-(IC4-Pad16): IC4#4.16
Net-(IC4-Pad17): IC4#4.17
Net-(IC4-Pad19): IC4#4.19
Net-(IC4-Pad21): IC4#4.21
Net-(IC5-Pad2): IC5#4.2
Net-(IC5-Pad3): IC5#4.3
Net-(IC5-Pad4): IC5#4.4
Net-(IC5-Pad6): IC5#4.6
Net-(IC5-Pad7): IC5#4.7
Net-(IC5-Pad8): IC5#3.8 IC5#4.8
Net-(IC5-Pad10): IC5#3.10 Q8.S R15#8.2
Net-(IC5-Pad14): IC5#4.14
Net-(IC5-Pad18): IC5#4.18
Net-(IC5-Pad21): IC5#4.21
Net-(IC5-Pad22): IC5#4.22
Net-(IC5-Pad27): IC5#4.27
Net-(IC5-Pad28): IC5#4.28
Net-(IC5-Pad30): IC5#4.30
Net-(IC6-Pad2): IC6.2 IC6#2.2 R23#5.2 R23#6.2
Net-(IC6-Pad3): IC6.3 IC6#2.3 R23#5.1 R23#6.1
Net-(IC6-Pad6): IC6.6 IC6#2.6 IC7.1 IC7.4 IC7#2.1 IC7#2.4
Net-(IC6-Pad7): IC6.7 IC6#2.7 R24.1 R24#2.1
Net-(IC10-Pad2): IC10.2 IC10#2.2 R32.1 R32#2.1
Net-(IC10-Pad3): IC10.3 IC10#2.3
Net-(IC101-Pad2): IC101.2
Net-(IC101-Pad6): IC101.6 R101.2
Net-(IC101-Pad7): IC101.7
Net-(IC101-Pad8): IC101.8
Net-(IC101-Pad9): IC101.9
Net-(IC101-Pad10): IC101.10
Net-(IC101-Pad11): IC101.11
Net-(IC101-Pad17): IC101.17
Net-(IC101-Pad20): IC101.20
Net-(IC101-Pad23): IC101.23
Net-(IC101-Pad24): IC101.24
Net-(IC101-Pad25): IC101.25
Net-(IC101-Pad26): IC101.26
Net-(IC101-Pad27): IC101.27
Net-(IC101-Pad28): IC101.28
Net-(IC101-Pad29): IC101.29
Net-(IC101-Pad30): IC101.30
Net-(IC101-Pad38): IC101.38
Net-(IC101-Pad39): IC101.39
Net-(IC101-Pad40): IC101.40
Net-(IC101-Pad41): IC101.41
Net-(IC101-Pad42): IC101.42
Net-(IC101-Pad43): IC101.43
Net-(IC101-Pad51): IC101.51
Net-(IC101-Pad52): IC101.52
Net-(IC101-Pad53): IC101.53
Net-(IC101-Pad54): IC101.54
Net-(IC101-Pad56): IC101.56
Net-(IC101-Pad57): IC101.57
Net-(IC101-Pad58): IC101.58
Net-(IC101-Pad59): IC101.59
Net-(IC103-Pad4): IC103.4
Net-(IC103-Pad5): IC103.5
Net-(IC103-Pad13): IC103.13
Net-(IC103-Pad15): IC103.15
Net-(IC103-Pad16): IC103.16
Net-(IC103-Pad17): IC103.17
Net-(IC103-Pad18): IC103.18
Net-(IC201-Pad5): IC201.5
Net-(IC201-Pad7): IC201.7
Net-(IC201-Pad9): IC201.9
Net-(IC201-Pad16): IC201.16
Net-(IC201-Pad19): IC201.19
Net-(IC201-Pad20): IC201.20
Net-(J1-Pad4): J1#17.4 J1#18.4
Net-(J1-PadS): J1#17.S J1#18.S
Net-(J6-Pad1): J6.1 R3#2.1
Net-(L1-Pad1): L1.1 L1#2.1 L1#3.1 L1#6.1 L2#4.2 R1#7.2 R1#8.2 R1#9.2 R6#5.1 R6#6.1 R6#7.1
Net-(L2-Pad1): L2#4.1 L3#4.2
Net-(L2-Pad2): L2.2 L2#2.2 L2#3.2 R9#4.2 R9#5.2 R9#6.2 R13#5.1 R13#6.1 R13#7.1
Net-(L3-Pad1): L3.1 L3#2.1 L3#3.1 R14#5.2 R14#6.2 R14#7.2 R19#5.1 R19#6.1 R19#7.1
Net-(L4-Pad2): L4.2 L4#2.2 L4#3.2 R22#3.2 R22#4.2 R22#5.2 R26#3.1 R26#4.1 R26#5.1
Net-(P1-Pad3): P1#3.3
Net-(P1-Pad6): P1#2.6 P1#3.6 P1#4.6 P1#5.6
Net-(Q1-Pad1): Q1.1 R1.2
Net-(Q1-PadD1): Q1#2.D1 Q1#2.G2 R1#3.2
Net-(Q1-PadD): Q1#6.D Q1#7.D Q2#6.G R4#11.2 R6#8.2 R9#8.2
Net-(Q1-PadG1): Q1#2.G1 R5#2.1 R6.1
Net-(Q2-PadD1): Q2.D1 Q2.G2 R8.2
Net-(Q2-PadD): Q2#6.D Q3#6.S Q4#6.S1 R10#8.1
Net-(Q2-PadG1): Q2.G1 R12.1 R18.1
Net-(Q2-PadG): Q2#5.G R5#7.2 R6#8.1
Net-(Q3-PadD1): Q3.D1 Q3.G2 R10.2
Net-(Q3-PadD): Q3#5.D Q3#6.D Q4#6.G1 Q6.G R10#8.2 R11#9.1 R12#8.2
Net-(Q3-PadG1): Q3.G1 R13.1 R19.1
Net-(Q4-PadD1): Q4.D1 Q4.G2 Q4#5.D1 Q4#5.D2 Q4#6.D1 Q4#6.D2 R11.2 R12#9.1 R16#9.2
Net-(Q4-PadG1): Q4.G1 R14.1 R20.1
Net-(Q5-PadD1): Q5.D1 Q5.D2
Net-(Q6-PadS): Q6.S R13#8.2
Net-(Q7-PadD): Q7.D R14#8.2
Net-(Q8-PadG): Q8.G Q9.D R16#8.2
Net-(U1-Pad1): U1#3.1
Net-(U1-Pad2): U1.2 U1#3.2
Net-(U1-Pad9): U1#3.9
Net-(U1-Pad16): U1#3.16
Net-(U1-Pad17): U1#3.17
Net-(U1-Pad18): U1#3.18
Net-(U1-Pad19): U1#3.19
Net-(U1-Pad20): U1#3.20
